# KiCad board gpu-external-power-supply.kicad_pcb (continued)
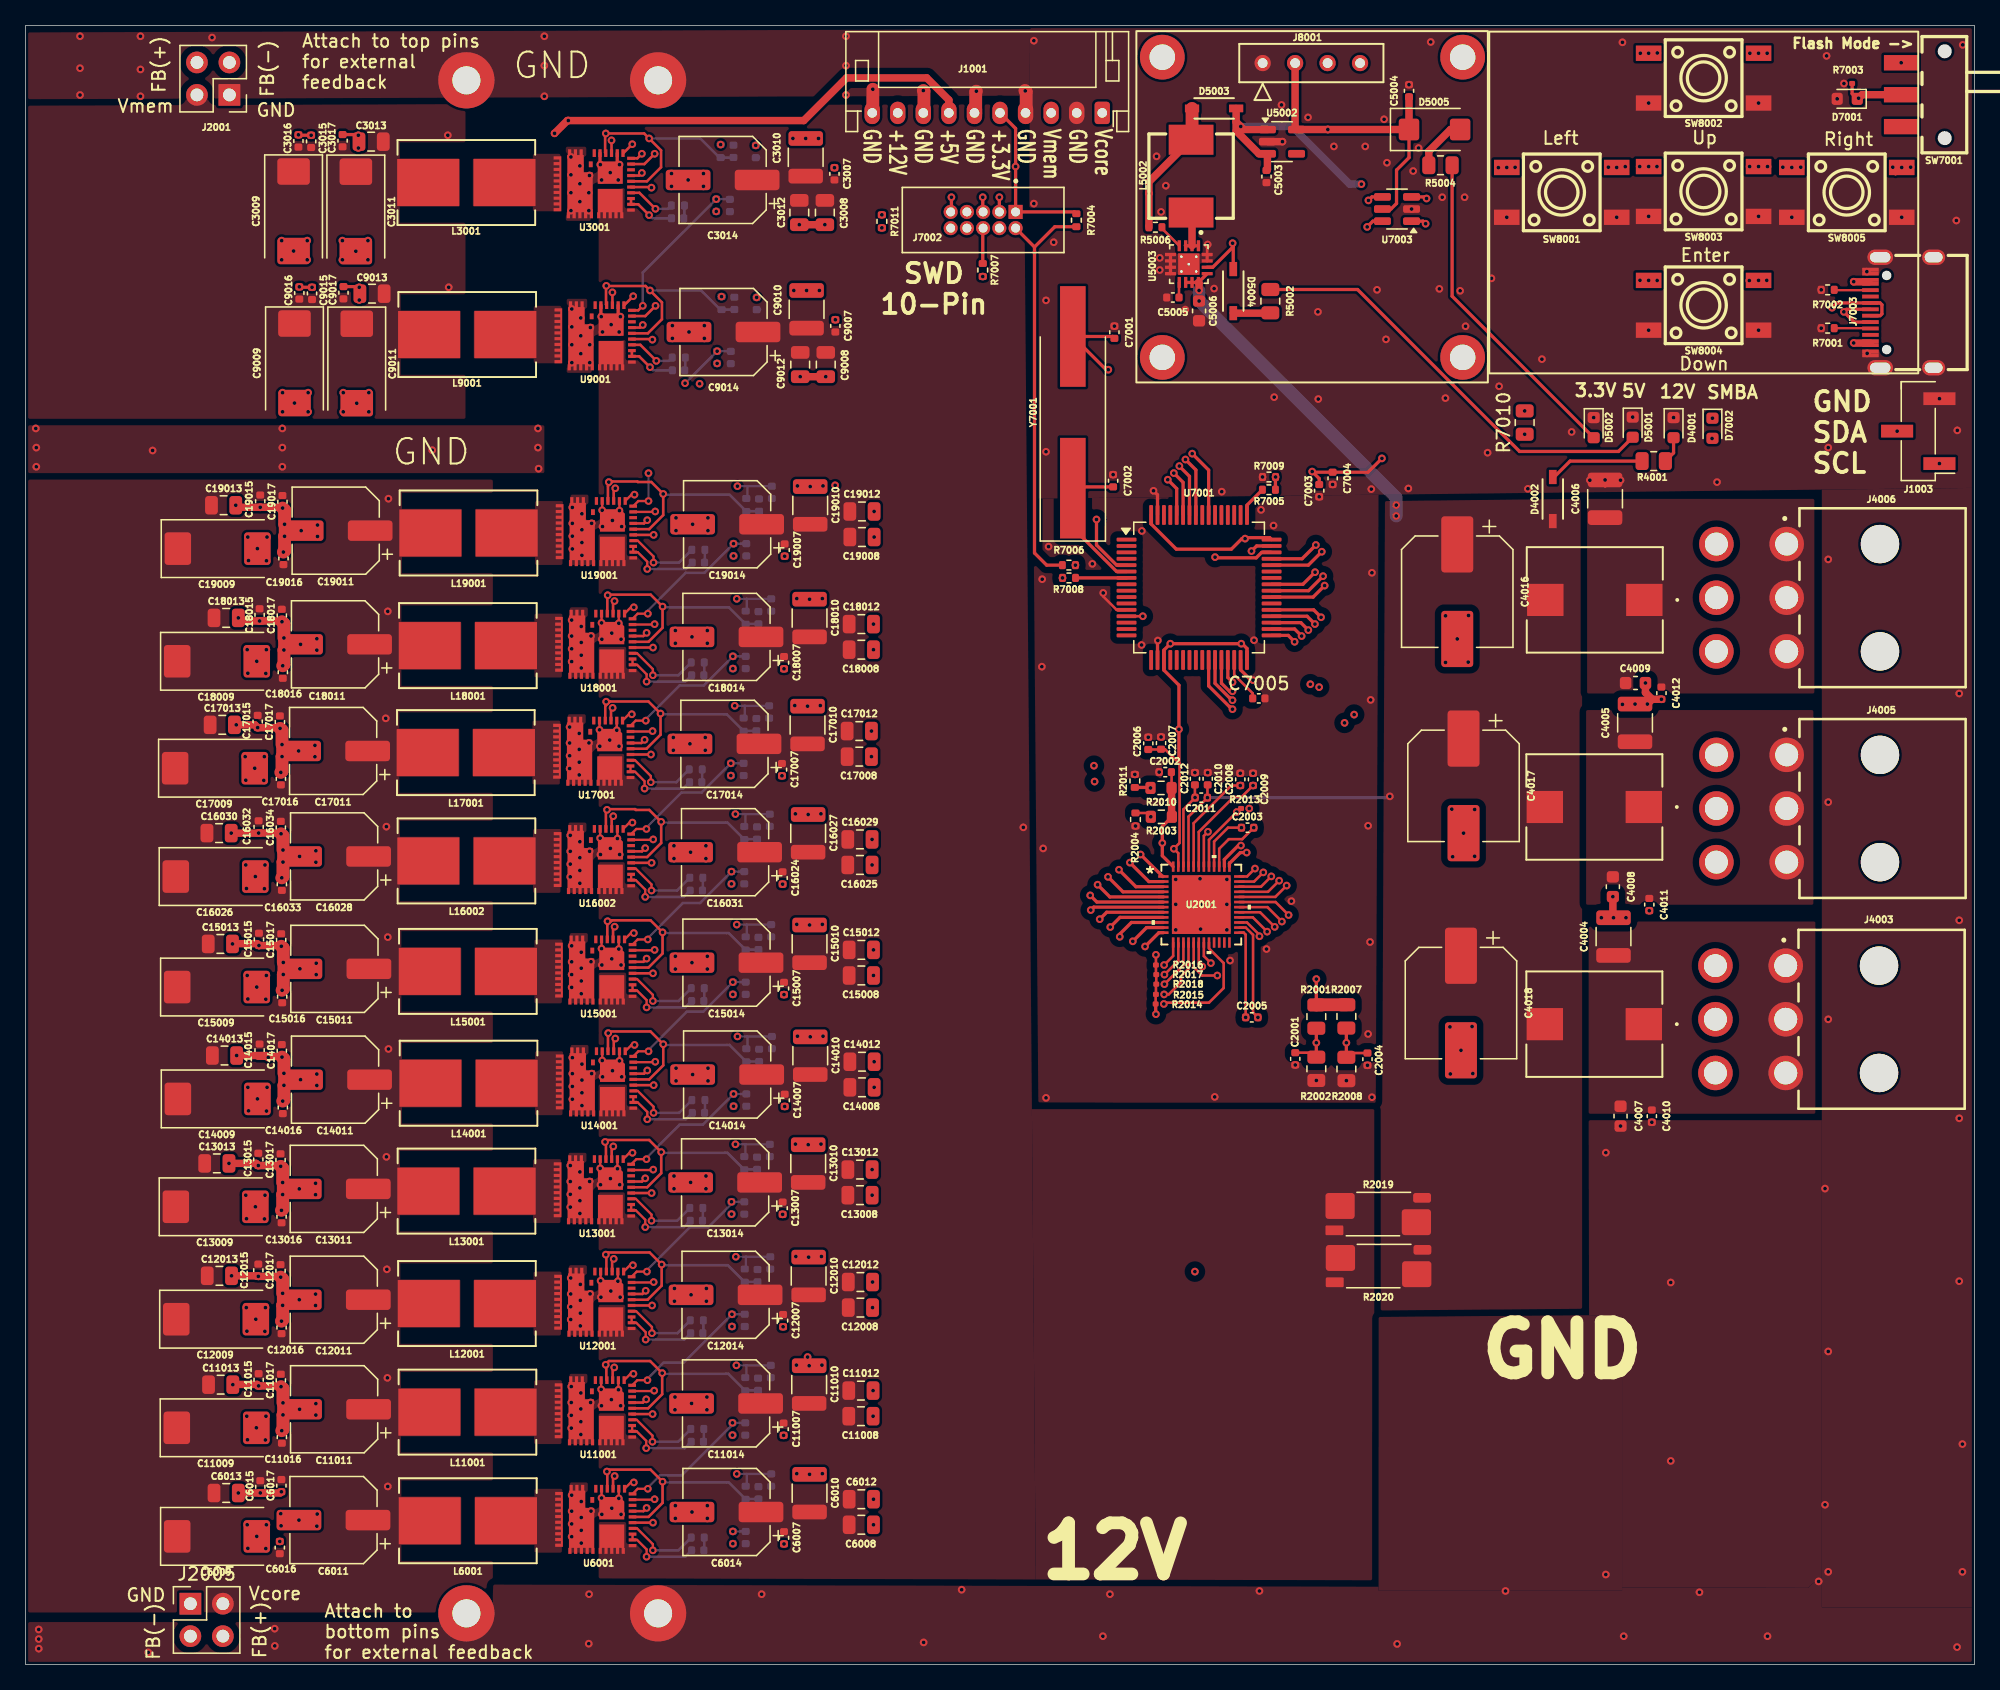
[diagram p0: board, top side]
## Routing (per net, layer and track width the routed paths; a pad name or vN(x,y) marks a point on that pad's centre or on a via; arc(x,y) is an arc through that point) (continued)
  In4.Cu w0.2: v1(49.06,73.06) 49.06,72.48 51.95,69.58 v1(55.18,69.58)
/VRM Controller/CUR_A_9: length 61.1
  Top w0.18: U18001.38 49.18,81.4 v1(49.21,81.43)
  Top w0.2: U2001.35 96.12,61.28 v1(96.84,62)
  In2.Cu w0.2: v1(96.84,62) 95.44,60.6 86.45,60.6 69.64,77.41 55.89,77.41 v1(55.34,77.95)
  In4.Cu w0.2: v1(49.21,81.43) 49.21,80.85 52.11,77.95 v1(55.34,77.95)
/VRM Controller/Cur_A_10: length 63.6
  Top w0.18: v1(49.26,90.25) 49.23,90.22 U19001.38
  Top w0.2: U2001.36 95.57,61.68 v1(96.19,62.3)
  In2.Cu w0.2: v1(55.39,86.77) 55.94,86.22 62.82,86.22 85.9,63.14 85.9,62.56 87.56,60.9 94.79,60.9 v1(96.19,62.3)
  In4.Cu w0.2: v1(49.26,90.25) 49.26,89.67 52.16,86.77 v1(55.39,86.77)
/VRM Controller/Cur_B_1: length 87.1
  Top w0.2: 47.37,117.44 48.41,117.44 v1(49.22,118.25)
  Top w0.254: v1(95.09,64.1) 94.88,64.1 93.79,63.01 U2001.38
  In2.Cu w0.2: v1(95.09,64.1) 95.09,63.85 93.59,62.35 89,62.35 74.9,76.45 74.9,95.89 57.05,113.74 v1(54.04,113.74)
  In4.Cu w0.2: v1(54.04,113.74) 51.5,113.74 49.47,115.77 49.47,118 v1(49.22,118.25)
/VRM Controller/Cur_B_2: length 76.9
  Top w0.2: U9001.38 48.48,105.54 v1(49.29,106.35)
  Top w0.254: v1(95.54,63.55) 95.04,63.55 94.19,62.7 U2001.37
  In2.Cu w0.2: v1(95.54,63.55) 94.04,62.05 87.83,62.05 86.73,63.14 86.73,63.56 73.84,76.45 73.84,86.62 58.62,101.84 v1(54.11,101.84)
  In4.Cu w0.2: v1(49.29,106.35) 49.54,106.1 49.54,103.87 51.57,101.84 v1(54.11,101.84)
/VRM Controller/PWM_A_1: length 74.5
  Top w0.2: v1(49.09,11.1) U6001.34
  Top w0.254: U2001.12 88.67,57.28 v1(87.59,56.2)
  In2.Cu w0.2: v1(49.09,11.1) 51.79,8.4 59.59,8.4 87.59,36.4 v1(87.59,56.2)
/VRM Controller/PWM_A_2: length 67
  Top w0.2: v1(49.06,19.6) U11001.34
  Top w0.254: U2001.11 87.71,57.68 v1(86.63,56.6)
  In2.Cu w0.2: v1(86.63,56.6) 86.64,56.59 86.64,43.98 59.56,16.9 51.76,16.9 v1(49.06,19.6)
/VRM Controller/PWM_A_3: length 64
  Top w0.2: v1(49.02,28.1) U12001.34
  Top w0.254: U2001.10 86.52,58.08 85.61,57.17 v1(85.61,56.96)
  In2.Cu w0.2: v1(49.02,28.1) 51.72,25.4 67.1,25.4 85.62,43.92 85.61,43.93 v1(85.61,56.96)
/VRM Controller/PWM_A_4: length 56.6
  Top w0.2: v1(48.98,36.9) U13001.34
  Top w0.254: U2001.9 85.63,58.48 v1(84.87,57.72)
  In2.Cu w0.2: v1(84.87,57.72) 84.69,57.54 84.69,51.05 67.84,34.2 51.68,34.2 v1(48.98,36.9)
/VRM Controller/PWM_A_5: length 49.3
  Top w0.2: v1(49.14,45.34) U14001.34
  Top w0.254: v1(84.04,58.34) 84.58,58.88 U2001.8
  In2.Cu w0.2: v1(84.04,58.34) 68.35,42.64 51.84,42.64 v1(49.14,45.34)
/VRM Controller/PWM_A_6: length 45.9
  Top w0.2: v1(49.09,54.1) U15001.34
  Top w0.254: v1(83.34,59.05) 83.57,59.28 U2001.7
  In2.Cu w0.2: v1(49.09,54.1) 51.79,51.4 75.69,51.4 v1(83.34,59.05)
/VRM Controller/PWM_A_7: length 43
  Top w0.2: v1(48.98,62.75) U16002.34
  Top w0.254: U2001.6 83.82,59.68 v1(83.3,60.2)
  In2.Cu w0.2: v1(48.98,62.75) 51.68,60.05 59.48,60.05 59.63,60.2 v1(83.3,60.2)
/VRM Controller/PWM_A_8: length 46.3
  Top w0.2: v1(48.93,71.23) U17001.34
  Top w0.254: v1(83.88,61.04) 84.83,60.08 U2001.5
  In2.Cu w0.2: v1(48.93,71.23) 51.63,68.53 76.38,68.53 v1(83.88,61.04)
/VRM Controller/PWM_A_9: length 49.5
  Top w0.2: v1(49.09,79.6) U18001.34
  Top w0.254: U2001.4 85.86,60.48 v1(84.69,61.65)
  In2.Cu w0.2: v1(84.69,61.65) 84.69,61.78 69.57,76.9 51.79,76.9 v1(49.09,79.6)
/VRM Controller/PWM_A_10: length 53.3
  Top w0.2: v1(49.14,88.42) U19001.34
  Top w0.254: U2001.3 86.88,60.88 v1(85.55,62.21)
  In2.Cu w0.2: v1(85.55,62.21) 85.55,62.93 62.76,85.72 51.84,85.72 v1(49.14,88.42)
/VRM Controller/PWM_B_1: length 75.6
  Top w0.2: v1(48.97,115.6) 48.92,115.64 47.37,115.64
  Top w0.254: U2001.1 88.96,61.68 v1(87.24,63.4)
  In2.Cu w0.2: v1(48.97,115.6) 51.47,113.1 57.26,113.1 74.25,96.11 74.25,76.46 87.24,63.47 v1(87.24,63.4)
/VRM Controller/PWM_B_2: length 65.5
  Top w0.2: v1(49.04,103.7) 48.99,103.75 U9001.34
  Top w0.254: U2001.2 87.89,61.28 v1(86.4,62.76)
  In2.Cu w0.2: v1(86.4,62.76) 86.4,63.39 73.54,76.25 73.54,86.45 58.84,101.15 51.59,101.15 v1(49.04,103.7)
/VRM Controller/VBOOT_A: length 16.7
  Top w0.2: v1(92.06,54.63) 91.79,54.9 U2001.18 ; R2004.1 87.74,66.65 v1(88.04,66.35)
  In4.Cu w0.2: v1(88.04,66.35) 90.04,64.35 90.05,64.35 91.39,63.01 91.39,55.3 v1(92.06,54.63)
/VRM Controller/VREF: length 278
  Top w0.18: U6001.39 47.89,13.75 v1(48.69,13.75) ; v1(48.74,47.99) 47.94,47.99 U14001.39 ; U15001.39 47.89,56.75 v1(48.69,56.75) ; U17001.39 47.73,73.88 v1(48.53,73.88) ; v1(48.58,65.4) 47.78,65.4 U16002.39 ; v1(48.61,30.75) 47.82,30.75 U12001.39 ; U18001.39 47.89,82.25 v1(48.69,82.25) ; v1(48.66,22.25) 47.86,22.25 U11001.39 ; v1(48.58,39.55) 47.78,39.55 U13001.39 ; v1(48.74,91.07) 47.94,91.07 U19001.39
  Top w0.2: v1(48.22,118.25) 47.86,117.89 47.37,117.89 ; C2002.2 89.67,69.83 R2010.1 ; v1(48.29,106.35) 47.93,106 47.44,106
  Top w0.254: R2003.1 88.94,65.6 v1(88.94,64.3) 88.94,63.3 U2001.48
  Top w0.58: R2003.1 89.67,66.38 R2010.1
  In2.Cu w0.2: v1(48.74,93.25) 48.74,97.43 v1(51.6,100.29)
  In4.Cu w0.2: v1(48.58,65.4) 52.62,65.4 55.23,62.79 v1(55.23,62.06) ; v1(55.34,53.41) 55.34,54.14 52.73,56.75 v1(48.69,56.75) ; v1(55.39,44.66) 55.39,45.38 52.78,47.99 v1(48.74,47.99) ; v1(54.11,102.8) 54.11,104.51 51.76,106.85 48.79,106.85 v1(48.29,106.35) ; v1(48.74,91.07) 52.78,91.07 55.39,88.46 v1(55.39,87.73) ; v1(48.61,30.75) 52.66,30.75 55.27,28.14 v1(55.27,27.41) ; v1(54.04,114.7) 54.04,116.41 51.69,118.75 48.72,118.75 v1(48.22,118.25) ; v1(55.34,78.91) 55.34,79.64 52.73,82.25 v1(48.69,82.25) ; v1(55.34,10.41) 55.34,11.14 52.73,13.75 v1(48.69,13.75) ; v1(55.31,18.91) 55.31,19.64 52.7,22.25 v1(48.66,22.25) ; v1(48.53,73.88) 52.57,73.88 55.18,71.27 v1(55.18,70.54) ; v1(48.58,39.55) 52.62,39.55 55.23,36.94 v1(55.23,36.21)
  In4.Cu w0.254: v1(88.94,64.3) 88.84,64.4 77.04,64.4 74.29,61.65 55.64,61.65 v1(55.23,62.06)
  Bottom w0.2: v1(48.69,56.75) 48.69,56.86 51.43,59.6 52.77,59.6 55.23,62.06 v1(55.23,62.06) C16020.1 ; v1(48.69,82.25) 48.69,82.5 51.64,85.45 53.11,85.45 55.39,87.73 v1(55.39,87.73) C19003.1 ; C14003.1 v1(55.39,44.66) 55.39,44.65 52.99,42.25 51.17,42.25 48.58,39.66 v1(48.58,39.55) ; v1(55.34,10.41) C6003.1 ; v1(48.61,30.75) 48.61,30.86 51.98,34.22 53.41,34.22 55.23,36.05 v1(55.23,36.21) C13003.1 ; v1(48.58,65.4) 48.58,65.51 51.32,68.25 52.9,68.25 55.18,70.54 v1(55.18,70.54) C17003.1 ; v1(48.66,22.25) 48.66,22.37 49.91,23.62 51.48,23.62 55.27,27.41 v1(55.27,27.41) C12003.1 ; v1(48.29,106.35) 48.29,108.95 v1(54.04,114.7) 55.09,114.7 C3003.1 ; C18003.1 v1(55.34,78.91) 55.34,78.91 53.06,76.63 51.17,76.63 48.53,73.99 v1(48.53,73.88) ; C9003.1 55.16,102.8 v1(54.11,102.8) v1(51.6,100.29) ; C15003.1 v1(55.34,53.41) 55.34,53.41 53.03,51.1 51.74,51.1 48.74,48.1 v1(48.74,47.99) ; v1(48.74,93.25) v1(48.74,91.07) ; C11003.1 v1(55.31,18.91) 55.31,18.77 51.35,14.81 49.63,14.81 48.69,13.86 v1(48.69,13.75)
A_ENABLE: length 52.8
  Top w0.2: 99.34,47.88 100.64,47.88 R2002.1 ; v1(93.24,53.93) 92.06,53.93 91.39,54.6 U2001.17
  Top w0.254: v1(94.43,75.48) 94.26,75.65 94.21,75.65 93.06,76.8 U7001.27 ; R2001.2 v1(100.99,48.66) R2002.1
  In2.Cu w0.254: v1(100.99,48.66) 100.65,49 95.17,49 93.24,50.92 v1(93.24,53.93)
  In4.Cu w0.254: v1(94.43,75.48) 94.48,75.48 100.67,69.28 100.67,58.09 96.39,53.8 93.37,53.8 v1(93.24,53.93)
AVR_READY: length 49.7
  Top w0.2: v1(89.08,52.45) 89.44,52.45 90.39,53.4 90.39,53.86 90.99,54.46 U2001.16
  Top w0.254: v1(94.43,76.18) 94.2,76.18 93.56,76.81 U7001.28
  In2.Cu w0.254: v1(94.43,76.18) 94.48,76.18 96.95,73.7 v1(103.2,73.7)
  In4.Cu w0.254: v1(89.08,52.45) 89.19,52.34 96.93,52.34 102.33,57.74 102.33,72.59 103.2,73.46 v1(103.2,73.7)
B_ENABLE: length 54.7
  Top w0.2: R2008.1 103.67,47.86 C2004.1 ; v1(92.74,54.9) 92.19,55.45 U2001.19
  Top w0.254: R2007.2 v1(103.34,48.66) R2008.1 ; v1(94.43,74.78) 94.26,74.95 94.21,74.95 92.56,76.6 U7001.26
  In2.Cu w0.254: v1(92.74,54.9) 92.71,54.87 92.71,50.95 95.53,48.14 101.98,48.14 102.5,48.66 v1(103.34,48.66)
  In4.Cu w0.254: v1(92.74,54.9) 93.07,54.57 96.66,54.57 100.32,58.23 100.32,68.89 v1(94.43,74.78)
BVR_READY: length 55
  Top w0.2: U2001.20 92.59,56.05 93.74,54.9 93.74,52.95 92.59,51.8 89.06,51.8
  Top w0.254: U7001.29 94.06,77.25 v1(94.43,76.89)
  In2.Cu w0.254: v1(103.95,74.35) 97,74.35 94.46,76.89 v1(94.43,76.89)
  In4.Cu w0.254: v1(89.06,51.7) 89.16,51.8 96.89,51.8 102.68,57.59 102.68,72.44 103.95,73.71 v1(103.95,74.35)
CORE_TEMP: length 156.4
  Top w0.2: U15001.36 48.34,55 v1(48.59,55.25) ; v1(48.64,89.57) 48.39,89.32 U19001.36 ; v1(48.48,63.9) 48.23,63.65 U16002.36 ; v1(95.04,68.8) 94.34,68.8 91.39,65.85 U2001.44 ; U11001.36 48.31,20.5 v1(48.56,20.75) ; v1(48.59,80.75) 48.34,80.5 U18001.36 ; U6001.36 48.34,12 v1(48.59,12.25) ; v1(48.43,72.38) 48.18,72.13 U17001.36 ; v1(48.64,46.49) 48.39,46.24 U14001.36 ; v1(48.48,38.05) 48.23,37.8 U13001.36 ; U12001.36 48.27,29 v1(48.52,29.25)
  In2.Cu w0.2: v1(48.64,89.57) 48.14,89.07 48.14,81.2 v1(48.59,80.75) 48.03,80.19 48.03,72.78 v1(48.43,72.38) 47.93,71.88 47.93,67.91 48.08,67.76 48.08,64.3 v1(48.48,63.9) 47.98,63.4 47.98,59.29 48.19,59.08 48.19,55.65 v1(48.59,55.25) 48.09,54.75 48.09,51.1 48.19,51 48.19,46.95 v1(48.64,46.49) 48.08,45.93 48.08,38.45 v1(48.48,38.05) 47.98,37.55 47.98,34.03 48.09,33.92 48.09,29.68 v1(48.52,29.25) 48.02,28.75 48.02,23 48.14,22.88 48.14,21.17 v1(48.56,20.75) 48.06,20.25 48.06,15.03 48.19,14.9 48.19,12.65 v1(48.59,12.25) ; v1(95.04,68.8) 94.73,69.11 v1(83.64,69.11)
  In4.Cu w0.2: v1(48.64,89.57) 48.72,89.57 54.36,83.93 68.06,83.93 82.88,69.11 v1(83.64,69.11)
I2C_SCL: length 45
  Top w0.254: U7001.41 99.94,84.55 v1(100.89,85.5)
  In2.Cu w0.254: J8001.3 103.04,124.18 103.04,87.65 v1(100.89,85.5)
I2C_SDA: length 45.9
  Top w0.254: v1(101.52,85.19) 100.38,84.05 U7001.40
  In2.Cu w0.254: v1(101.52,85.19) 101.52,85.62 103.39,87.49 103.39,124.33 J8001.4
MEM_TEMP: length 89.6
  Top w0.2: U2001.43 91.79,65.16 94.53,67.9 95.14,67.9 v1(96.04,68.8) ; 47.37,116.54 48.02,116.54 v1(48.22,116.75) ; U9001.36 48.08,104.64 v1(48.29,104.85)
  In2.Cu w0.2: v1(48.29,104.85) 47.04,106.1 47.04,115.57 v1(48.22,116.75) ; v1(96.04,68.8) 95.54,69.3 95.54,70.15 95.34,70.35 v1(83.59,70.35) ; v1(52.74,100.25) 55.28,97.7 58.34,97.7 63.34,92.7 v1(63.34,92.3)
  In4.Cu w0.2: v1(52.74,100.25) 49.78,103.2 48.83,103.2 48.29,103.74 v1(48.29,104.85) 48.44,104.7 ; v1(63.34,92.3) 63.34,89.15 82.14,70.35 v1(83.59,70.35) ; 48.37,116.6 v1(48.22,116.75)
OB_DOWN: length 53.9
  Top w0.254: U7001.33 98.79,80.55 v1(99.29,80.05)
  In2.Cu w0.254: v1(99.29,80.05) 99.42,79.92 103.17,79.92 122.52,99.27 122.52,104.55 v1(126.31,108.35)
  In2.Cu w1: v1(126.31,108.35) 126.32,108.34 v1(126.99,108.34) v1(135.59,108.34) v1(136.23,108.34)
  vias: v1(127.66,108.33) v1(134.87,108.33)
OB_ENTER: length 61.7
  Top w0.254: U7001.35 99.78,81.55 v1(100.36,80.97)
  In2.Cu w0.254: v1(100.36,80.97) 100.42,80.91 102.9,80.91 121.81,99.82 121.81,105.37 126.18,109.74 126.18,117.14 v1(126.29,117.25)
  In2.Cu w1: v1(126.29,117.25) v1(126.99,117.25) v1(135.59,117.25) v1(136.29,117.25)
  vias: v1(127.64,117.25) v1(134.89,117.25)
OB_LEFT: length 56.6
  Top w0.254: v1(100.88,81.44) 100.27,82.05 U7001.36
  In2.Cu w0.254: v1(100.88,81.44) 102.78,81.44 116.76,95.42 116.76,116.65 117.29,117.18
  In2.Cu w1: v1(115.89,117.18) v1(124.49,117.18) 124.55,117.24 v1(125.16,117.24)
  vias: v1(115.23,117.17) v1(116.54,117.19) v1(123.84,117.2)
OB_RIGHT: length 71
  Top w0.254: v1(99.84,80.5) 99.29,81.05 U7001.34
  In2.Cu w0.254: v1(99.84,80.5) 99.9,80.44 102.95,80.44 122.16,99.65 122.16,105.22 126.51,109.58 133.74,109.58 137.49,113.32 v1(137.49,117.2)
  In2.Cu w1: v1(147.49,117.2) 146.81,117.2 v1(146.79,117.18) v1(138.19,117.18) 138.17,117.2 v1(137.49,117.2)
  vias: v1(138.89,117.2) v1(146.09,117.2)
OB_UP: length 72.2
  Top w0.254: v1(101.36,81.97) 100.78,82.55 U7001.37
  In2.Cu w0.254: 127.45,126.12 123.34,126.12 113.86,116.64 113.86,93.02 102.81,81.97 v1(101.36,81.97)
  In2.Cu w1: v1(136.26,126.12) 135.59,126.12 v1(135.59,126.12) v1(126.99,126.12) 126.99,126.12 v1(126.34,126.12)
  vias: v1(127.67,126.14) v1(134.91,126.12)
PMBUS_SCL: length 118.2
  Top w0.2: v1(89.11,54) 90.19,55.09 U2001.14
  Top w0.254: U7001.58 91.06,93 90.27,93.79 v1(90.27,93.81)
  In2.Cu w0.254: v1(101.21,76.5) 118.76,94.05 149.69,94.05 v1(149.74,94)
  In4.Cu w0.254: v1(89.11,54) 90.06,53.05 96.63,53.05 101.38,57.79 101.38,76.33 v1(101.21,76.5) 101.21,76.78 91.09,86.9 91.09,92.99 v1(90.27,93.81)
PMBUS_SDA: length 114.1
  Top w0.2: U2001.13 89.79,55.46 v1(89.08,54.75)
  Top w0.254: v1(89.84,93.25) 90.56,92.53 U7001.59
  In2.Cu w0.254: v1(100.52,76.73) 118.94,95.15 133.39,95.15 134.78,96.54 v1(146.43,96.54)
  In4.Cu w0.254: v1(89.08,54.75) 89.99,54.75 91.34,53.4 96.49,53.4 101.03,57.94 101.03,75.94 100.52,76.44 v1(100.52,76.73) 100.52,76.97 90.59,86.9 90.59,92.5 v1(89.84,93.25)
PMBUS_SMBA: length 94
  Top w0.2: v1(89.11,53.25) 90.59,54.73 U2001.15
  Top w0.254: v1(90.75,94.32) 91.56,93.5 U7001.57
  In4.Cu w0.254: v1(117.29,96.3) 117.29,95.38 108.49,86.57 93.95,86.57 92.94,85.56 ; 92.94,85.56 91.59,86.9 91.59,93.48 v1(90.75,94.32) ; 92.94,85.56 101.74,76.76 101.74,57.65 96.78,52.69 89.66,52.69 v1(89.11,53.25)
USB_DN: length 32.6
  Top w0.254: v1(101.42,87.1) 100.36,86.05 U7001.44 ; v1(104.96,112.52) 105.42,112.97 U7003.6
  In4.Cu w0.254: v1(101.42,87.1) 104.31,90 104.31,111.88 v1(104.96,112.52)
USB_DP: length 33.8
  Top w0.254: U7001.45 99.88,86.55 v1(100.95,87.63) ; U7003.4 105.34,114.88 v1(105.06,114.6)
  In4.Cu w0.254: v1(105.06,114.6) 103.96,113.5 103.96,90.63 v1(100.95,87.63)
Vcore: length 290.4
  Top w0.18: 46.83,22.25 47.33,22.75 v1(47.56,22.75) ; v1(47.64,91.57) 47.41,91.57 U19001.1 ; U14001.1 47.41,48.49 v1(47.64,48.49) ; v1(47.43,74.38) 47.2,74.38 U17001.1 ; U18001.1 47.36,82.75 v1(47.59,82.75) ; U6001.1 47.36,14.25 v1(47.59,14.25) ; v1(47.48,65.9) 47.25,65.9 U16002.1 ; U12001.1 47.29,31.25 v1(47.52,31.25) ; U15001.1 47.36,57.25 v1(47.59,57.25) ; U13001.1 47.25,40.05 v1(47.48,40.05)
  In2.Cu w0.2: J1001.1 79.29,126.4 46.95,126.4 38.94,118.39 38.94,94.4 35.79,91.25 v1(28.39,91.25)
  In4.Cu w0.18: v1(47.48,40.05) 47.39,39.96 42.07,39.96 41.98,40.05 ; v1(47.64,91.57) 47.55,91.48 42.23,91.48 42.14,91.57 ; v1(47.48,65.9) 47.39,65.81 42.07,65.81 41.98,65.9 ; 42.09,82.75 42.18,82.66 47.5,82.66 v1(47.59,82.75) ; 42.09,57.25 42.18,57.16 47.5,57.16 v1(47.59,57.25) ; v1(47.56,22.75) 47.47,22.66 42.15,22.66 42.06,22.75 ; 42.14,48.49 42.23,48.4 47.55,48.4 v1(47.64,48.49) ; 42.02,31.25 42.11,31.16 47.43,31.16 v1(47.52,31.25) ; 41.93,74.38 42.02,74.29 47.34,74.29 v1(47.43,74.38) ; 42.09,14.25 42.18,14.16 47.5,14.16 v1(47.59,14.25)
  In4.Cu w0.2: 42.02,31.25 28.59,31.25 v1(28.27,30.93) ; 41.93,74.38 28.5,74.38 v1(28.18,74.06) ; v1(28.23,65.58) 28.55,65.9 41.98,65.9 ; v1(28.34,82.43) 28.66,82.75 42.09,82.75 ; v1(28.39,48.18) 28.71,48.49 42.14,48.49 ; v1(28.34,13.93) 28.66,14.25 42.09,14.25 ; 42.14,91.57 28.71,91.57 v1(28.39,91.25) ; v1(28.31,22.43) 28.63,22.75 42.06,22.75 ; 41.98,40.05 28.55,40.05 v1(28.23,39.73) ; v1(28.34,56.93) 28.66,57.25 42.09,57.25
Vmem: length 68.3
  Top w0.2: U3001.1 46.77,118.3 v1(47.47,119) ; U9001.1 46.84,106.4 v1(47.54,107.1)
  In2.Cu w0.2: v1(47.47,119) 48.42,119.95 48.99,119.95 52.84,123.8 78.42,123.8 80.24,121.97 J1001.3
  In4.Cu w0.2: v1(47.47,119) 47.27,118.8 33.57,118.8 33.04,119.33 v1(33.04,119.7) ; v1(33.11,107.8) 33.11,107.43 33.64,106.9 47.34,106.9 v1(47.54,107.1)
VR_FAULT: length 34.4
  Top w0.2: 95.04,67 v1(94.77,66.72) 92.59,64.55 U2001.41
  Top w0.254: U7001.39 100.74,83.55 v1(101.64,84.45)
  In2.Cu w0.254: v1(94.77,66.72) 95.02,66.47 95.96,66.47 96.92,67.44 96.92,70.37 93.9,73.39 93.9,77.11 101.24,84.45 v1(101.64,84.45)
Net-(C3006-Pad1): length 1
  Bottom w0.2: C3006.1 51.55,113.25 R3002.2
Net-(C3006-Pad2): length 4.1
  Top w0.2: 47.37,114.75 47.37,114.29 47.94,114.29 v1(48.79,113.45)
  Bottom w0.2: v1(48.79,113.45) 49.03,113.2 C3006.2
Net-(C6006-Pad1): length 1
  Bottom w0.2: C6006.1 53.1,8.96 R6002.2
Net-(C6006-Pad2): length 6.2
  Top w0.18: v1(48.59,8.43) 48.59,9 47.84,9.75 U6001.31 U6001.32
  Bottom w0.2: C6006.2 51.61,8.43 v1(48.59,8.43)
Net-(C9006-Pad1): length 1
  Bottom w0.2: R9002.2 51.62,101.35 C9006.1
Net-(C9006-Pad2): length 4.1
  Top w0.2: v1(48.86,101.55) 48.01,102.39 U9001.31 U9001.32
  Bottom w0.2: C9006.2 49.1,101.3 v1(48.86,101.55)
Net-(C11006-Pad1): length 1
  Bottom w0.2: C11006.1 53.07,17.46 R11002.2
Net-(C11006-Pad2): length 6.2
  Top w0.18: v1(48.56,16.93) 48.56,17.5 47.81,18.25 U11001.31 U11001.32
  Bottom w0.2: v1(48.56,16.93) 51.58,16.93 C11006.2
Net-(C12006-Pad1): length 1
  Bottom w0.2: R12002.2 53.03,25.96 C12006.1
Net-(C12006-Pad2): length 6.2
  Top w0.18: U12001.32 U12001.31 47.77,26.75 48.52,26 v1(48.52,25.43)
  Bottom w0.2: v1(48.52,25.43) 51.54,25.43 C12006.2
Net-(C13006-Pad1): length 1
  Bottom w0.2: R13002.2 52.99,34.76 C13006.1
Net-(C13006-Pad2): length 6.2
  Top w0.18: U13001.32 U13001.31 47.74,35.55 48.48,34.81 v1(48.48,34.23)
  Bottom w0.2: v1(48.48,34.23) 51.5,34.23 C13006.2
Net-(C14006-Pad1): length 1
  Bottom w0.2: R14002.2 53.15,43.21 C14006.1
Net-(C14006-Pad2): length 6.2
  Top w0.18: U14001.32 U14001.31 47.9,43.99 48.64,43.25 v1(48.64,42.68)
  Bottom w0.2: v1(48.64,42.68) 51.66,42.68 C14006.2
Net-(C15006-Pad1): length 1
  Bottom w0.2: C15006.1 53.1,51.96 R15002.2
Net-(C15006-Pad2): length 6.2
  Top w0.18: U15001.32 U15001.31 47.84,52.75 48.59,52 v1(48.59,51.43)
  Bottom w0.2: C15006.2 51.61,51.43 v1(48.59,51.43)
Net-(C16023-Pad1): length 1
  Bottom w0.2: R16004.2 52.99,60.61 C16023.1
Net-(C16023-Pad2): length 6.2
  Top w0.18: U16002.32 U16002.31 47.74,61.4 48.48,60.65 v1(48.48,60.08)
  Bottom w0.2: v1(48.48,60.08) 51.5,60.08 C16023.2
Net-(C17006-Pad1): length 1
  Bottom w0.2: C17006.1 52.94,69.09 R17002.2
Net-(C17006-Pad2): length 6.2
  Top w0.18: v1(48.43,68.56) 48.43,69.13 47.69,69.88 U17001.31 U17001.32
  Bottom w0.2: v1(48.43,68.56) 51.45,68.56 C17006.2
Net-(C18006-Pad1): length 1
  Bottom w0.2: R18002.2 53.1,77.46 C18006.1
Net-(C18006-Pad2): length 6.2
  Top w0.18: U18001.32 U18001.31 47.84,78.25 48.59,77.5 v1(48.59,76.93)
  Bottom w0.2: v1(48.59,76.93) 51.61,76.93 C18006.2
Net-(C19006-Pad1): length 1
  Bottom w0.2: 53.15,87.25 53.15,86.28 C19006.1
Net-(C19006-Pad2): length 6.2
  Top w0.18: v1(48.64,85.75) 48.64,86.32 47.89,87.07 U19001.31 U19001.32
  Bottom w0.2: C19006.2 51.66,85.75 v1(48.64,85.75)
Net-(D4001-A): length 2.1
  Top w0.254: D4001.2 128.94,94.84 R4001.2
Net-(D4002-A): length 7.5
  Top w0.254: D4002.2 119.6,92.95 120.84,94.2 R4001.1
Net-(D5001-A): length 34.1
  Top w0.254: D5001.2 124.63,94.95 116.89,94.95 104.21,107.62 R5002.2
Net-(D5002-A): length 25.9
  Top w0.254: D5002.2 111.61,107.1 R5004.2
Net-(D5004-A): length 2.9
  Top w0.58: D5004.2 97.36,105.77 R5002.1
Net-(D5005-A): length 4.3
  Top w0.58: D5005.2 111.49,120.15 109.79,118.45 R5004.1
Net-(D7002-K): length 15.3
  In4.Cu w0.254: v1(117.29,98.12) 118.34,97.07 131.5,97.07 v1(131.98,97.55)
Net-(J2001-Pin_3): length 128.1
  Top w0.2: U2001.39 93.39,63.85 94.14,64.6 95.19,64.6 v1(96.09,65.5)
  In4.Cu w0.2: v1(96.09,65.5) 95.59,66 94.56,66 93.39,67.17 93.39,67.64 92.67,68.36 91.13,68.36 61.61,97.88 39.67,97.88 31.67,105.88 17.74,105.88 11.3,112.31 11.3,125.59 12.39,126.67 14.67,126.67 J2001.3
Net-(J2001-Pin_4): length 118
  Top w0.2: v1(95.13,65.5) 94.08,65.5 92.99,64.41 U2001.40
  In4.Cu w0.2: v1(95.13,65.5) 95.75,64.88 96.17,64.88 96.69,65.39 96.69,69.82 89.98,76.52 83.77,76.52 61.79,98.5 41.62,98.5 18.25,121.86 18.25,123.12 17.02,124.35 14.46,124.35 J2001.4
Net-(J2005-Pin_3): length 127
  Top w0.2: U2001.26 95.47,57.68 96.04,57.1 96.04,51.03 v1(96.42,50.65)
  In4.Cu w0.2: v1(96.42,50.65) 96.42,50.65 96.39,50.62 96.39,26.2 70.94,0.75 14.36,0.75 J2005.3
Net-(J2005-Pin_4): length 122.5
  Top w0.2: v1(95.46,50.65) 95.46,57.13 95.31,57.28 U2001.25
  In4.Cu w0.2: J2005.4 23.75,2.21 24.84,1.12 70.67,1.12 95.46,25.92 v1(95.46,50.65)
Net-(J7002-SWCLK/TCK): length 35.5
  Top w0.254: v1(97.8,92.95) 97.79,92.94 R7005.1
  In2.Cu w0.254: 76.19,112.43 76.19,104.27 82.49,97.97 88.82,97.97 91.69,95.1 95.65,95.1 v1(97.8,92.95)
Net-(J7002-SWDIO/TMS): length 32.6
  Top w0.254: 78.94,110.95 78.94,87 79.89,86.05 R7006.1 81.13,86.04 ; 78.94,110.95 J7002.2 ; 78.94,110.95 80.53,112.54 R7004.2
Net-(J7002-SWO/TDO): length 2.8
  Top w0.254: R7007.1 74.89,112.4 J7002.6
Net-(J7002-~{RESET}): length 36.4
  In2.Cu w0.18: v1(67,112.45) 72.36,112.45 J7002.10 72.38,107.09 81.13,98.34 v1(81.13,85.05)
Net-(J7003-CC1): length 2.8
  Top w0.18: R7001.1 144.32,104.6 J7003.A5
Net-(J7003-CC2): length 2.8
  Top w0.18: J7003.B5 141.53,107.57 R7002.1
Net-(J7003-D+-PadA6): length 42.3
  Top w0.254: v1(141.34,106.2) 141.71,106.57 J7003.B6 145.1,106.57 145.24,106.43 145.24,105.72 145.1,105.57 J7003.A6 ; v1(109.61,114.75) 109.49,114.88 U7003.3
  In4.Cu w0.254: v1(141.34,106.2) 118.17,106.2 v1(109.61,114.75)
Net-(J7003-D--PadA7): length 41.7
  Top w0.254: J7003.A7 142.46,106.07 v1(142.26,105.88) 143.06,105.07 J7003.B7 ; v1(109.54,112.77) 109.34,112.97 U7003.1
  In4.Cu w0.254: v1(142.26,105.88) 141.79,105.4 116.92,105.4 v1(109.54,112.77)
Net-(U3001-BOOT): length 3.8
  Top w0.2: v1(49.28,113.94) 48.03,115.19 47.37,115.19
  Bottom w0.2: v1(49.28,113.94) 50.27,113.94 R3002.1
Net-(U3001-VCC): length 13
  Top w0.2: v1(45.84,119.3) U3001.3
  In4.Cu w0.2: v1(45.84,119.3) 46.5,119.95 53.4,119.95 v1(54.38,118.97) 54.45,118.91 v1(57.13,118.91)
Net-(U5003-PG): length 2
  Top w0.2: R5006.1 88.91,112.41 U5003.4
Net-(U5003-SS/TR): length 1.2
  Top w0.2: U5003.9 90.24,108.16 C5005.1
Net-(U5003-SW): length 3.7
  Top w0.254: U5003.1 U5003.3 90.74,111.07 ; 91.24,111.07 U5003.2
  Top w0.58: L5002.1 91.27,113.57 U5003.2
Net-(U6001-BOOT): length 6
  Top w0.18: v1(49.08,8.93) 49.08,9.41 47.84,10.65 U6001.33
  Bottom w0.2: v1(49.08,8.93) 51.08,8.93 52.08,9.93
Net-(U6001-VCC): length 14.4
  Top w0.2: v1(46.09,14.75) 45.96,14.62 U6001.3
  In4.Cu w0.18: v1(55.65,14.91) 55.57,14.84 46.18,14.84 v1(46.09,14.75)
  Bottom w0.18: 56.43,14.91 56.43,14.91 v1(55.65,14.91) ; 56.43,14.91 56.43,14.04 R6001.2 ; 56.43,14.91 C6004.1
Net-(U7001-VCAP1): length 3.6
  Top w0.2: U7001.30 94.56,77.46 96.01,76.02 C7005.1
Net-(U9001-BOOT): length 3.8
  Top w0.2: v1(49.35,102.04) 48.1,103.29 U9001.33
  Bottom w0.2: v1(49.35,102.04) 50.34,102.04 R9002.1
Net-(U9001-VCC): length 13
  Top w0.2: v1(45.91,107.4) U9001.3
  In4.Cu w0.2: v1(57.2,107.01) 54.52,107.01 v1(54.45,107.07) 53.47,108.05 46.57,108.05 v1(45.91,107.4)
Net-(U11001-BOOT): length 6
  Top w0.18: v1(49.05,17.43) 49.05,17.91 47.81,19.15 U11001.33
  Bottom w0.2: v1(49.05,17.43) 51.05,17.43 R11002.1
Net-(U11001-VCC): length 14.4
  Top w0.2: v1(46.06,23.25) 45.93,23.12 U11001.3
  In4.Cu w0.18: v1(46.06,23.25) 46.15,23.34 55.54,23.34 v1(55.61,23.41)
  Bottom w0.18: 56.4,23.41 C11004.1 ; 56.4,23.41 56.39,23.41 v1(55.61,23.41) ; 56.4,23.41 56.4,22.54 R11001.2
Net-(U12001-BOOT): length 6
  Top w0.18: U12001.33 47.77,27.65 49.01,26.41 v1(49.01,25.93)
  Bottom w0.2: v1(49.01,25.93) 51.01,25.93 R12002.1
Net-(U12001-VCC): length 14.4
  Top w0.2: U12001.3 45.89,31.62 v1(46.02,31.75)
  In4.Cu w0.18: v1(46.02,31.75) 46.11,31.84 55.5,31.84 v1(55.57,31.91)
  Bottom w0.18: v1(55.57,31.91) 56.35,31.91 56.36,31.91 ; 56.36,31.91 C12004.1 ; 56.36,31.91 56.36,31.04 R12001.2
Net-(U13001-BOOT): length 6
  Top w0.18: v1(48.97,34.73) 48.97,35.22 47.74,36.45 U13001.33
  Bottom w0.2: v1(48.97,34.73) 50.97,34.73 R13002.1
Net-(U13001-VCC): length 14.4
  Top w0.2: U13001.3 45.86,40.43 v1(45.98,40.55)
  In4.Cu w0.18: v1(55.54,40.72) 55.46,40.64 46.07,40.64 v1(45.98,40.55)
  Bottom w0.18: R13001.2 56.32,39.84 56.32,40.71 ; v1(55.54,40.72) 56.32,40.72 56.32,40.71 ; 56.32,40.71 C13004.1
Net-(U14001-BOOT): length 6
  Top w0.18: U14001.33 47.9,44.89 49.13,43.66 v1(49.13,43.18)
  Bottom w0.2: R14002.1 51.13,43.18 v1(49.13,43.18)
Net-(U14001-VCC): length 14.4
  Top w0.2: U14001.3 46.02,48.87 v1(46.14,48.99)
  In4.Cu w0.18: v1(55.7,49.16) 55.62,49.08 46.23,49.08 v1(46.14,48.99)
  Bottom w0.18: v1(55.7,49.16) 56.48,49.16 56.48,49.16 ; 56.48,49.16 C14004.1 ; 56.48,49.16 56.48,48.28 R14001.2
Net-(U15001-BOOT): length 6
  Top w0.18: v1(49.08,51.93) 49.08,52.41 47.84,53.65 U15001.33
  Bottom w0.2: v1(49.08,51.93) 51.08,51.93 52.08,52.93
Net-(U15001-VCC): length 14.4
  Top w0.2: U15001.3 45.96,57.62 v1(46.09,57.75)
  In4.Cu w0.18: v1(55.65,57.91) 55.57,57.84 46.18,57.84 v1(46.09,57.75)
  Bottom w0.18: 56.43,57.91 C15004.1 ; 56.43,57.91 56.43,57.91 v1(55.65,57.91) ; 56.43,57.91 56.43,57.04 R15001.2
Net-(U16002-BOOT): length 6
  Top w0.18: v1(48.97,60.58) 48.97,61.06 47.74,62.3 U16002.33
  Bottom w0.2: v1(48.97,60.58) 50.97,60.58 R16004.1
Net-(U16002-VCC): length 14.4
  Top w0.2: U16002.3 45.86,66.27 v1(45.98,66.4)
  In4.Cu w0.18: v1(55.54,66.56) 55.46,66.49 46.07,66.49 v1(45.98,66.4)
  Bottom w0.18: 56.32,66.56 C16021.1 ; 56.32,66.56 56.32,66.56 v1(55.54,66.56) ; 56.32,66.56 56.32,65.69 R16003.2
Net-(U17001-BOOT): length 6
  Top w0.18: v1(48.92,69.06) 48.92,69.54 47.69,70.78 U17001.33
  Bottom w0.2: v1(48.92,69.06) 50.92,69.06 R17002.1
Net-(U17001-VCC): length 14.4
  Top w0.2: U17001.3 45.81,74.75 v1(45.93,74.88)
  In4.Cu w0.18: v1(55.49,75.04) 55.41,74.97 46.02,74.97 v1(45.93,74.88)
  Bottom w0.18: 56.27,75.04 56.27,75.04 v1(55.49,75.04) ; 56.27,75.04 C17004.1 ; 56.27,75.04 56.27,74.17 R17001.2
